# Altium PCB drac_v2.PcbDoc (part 1 of 5) (continued)
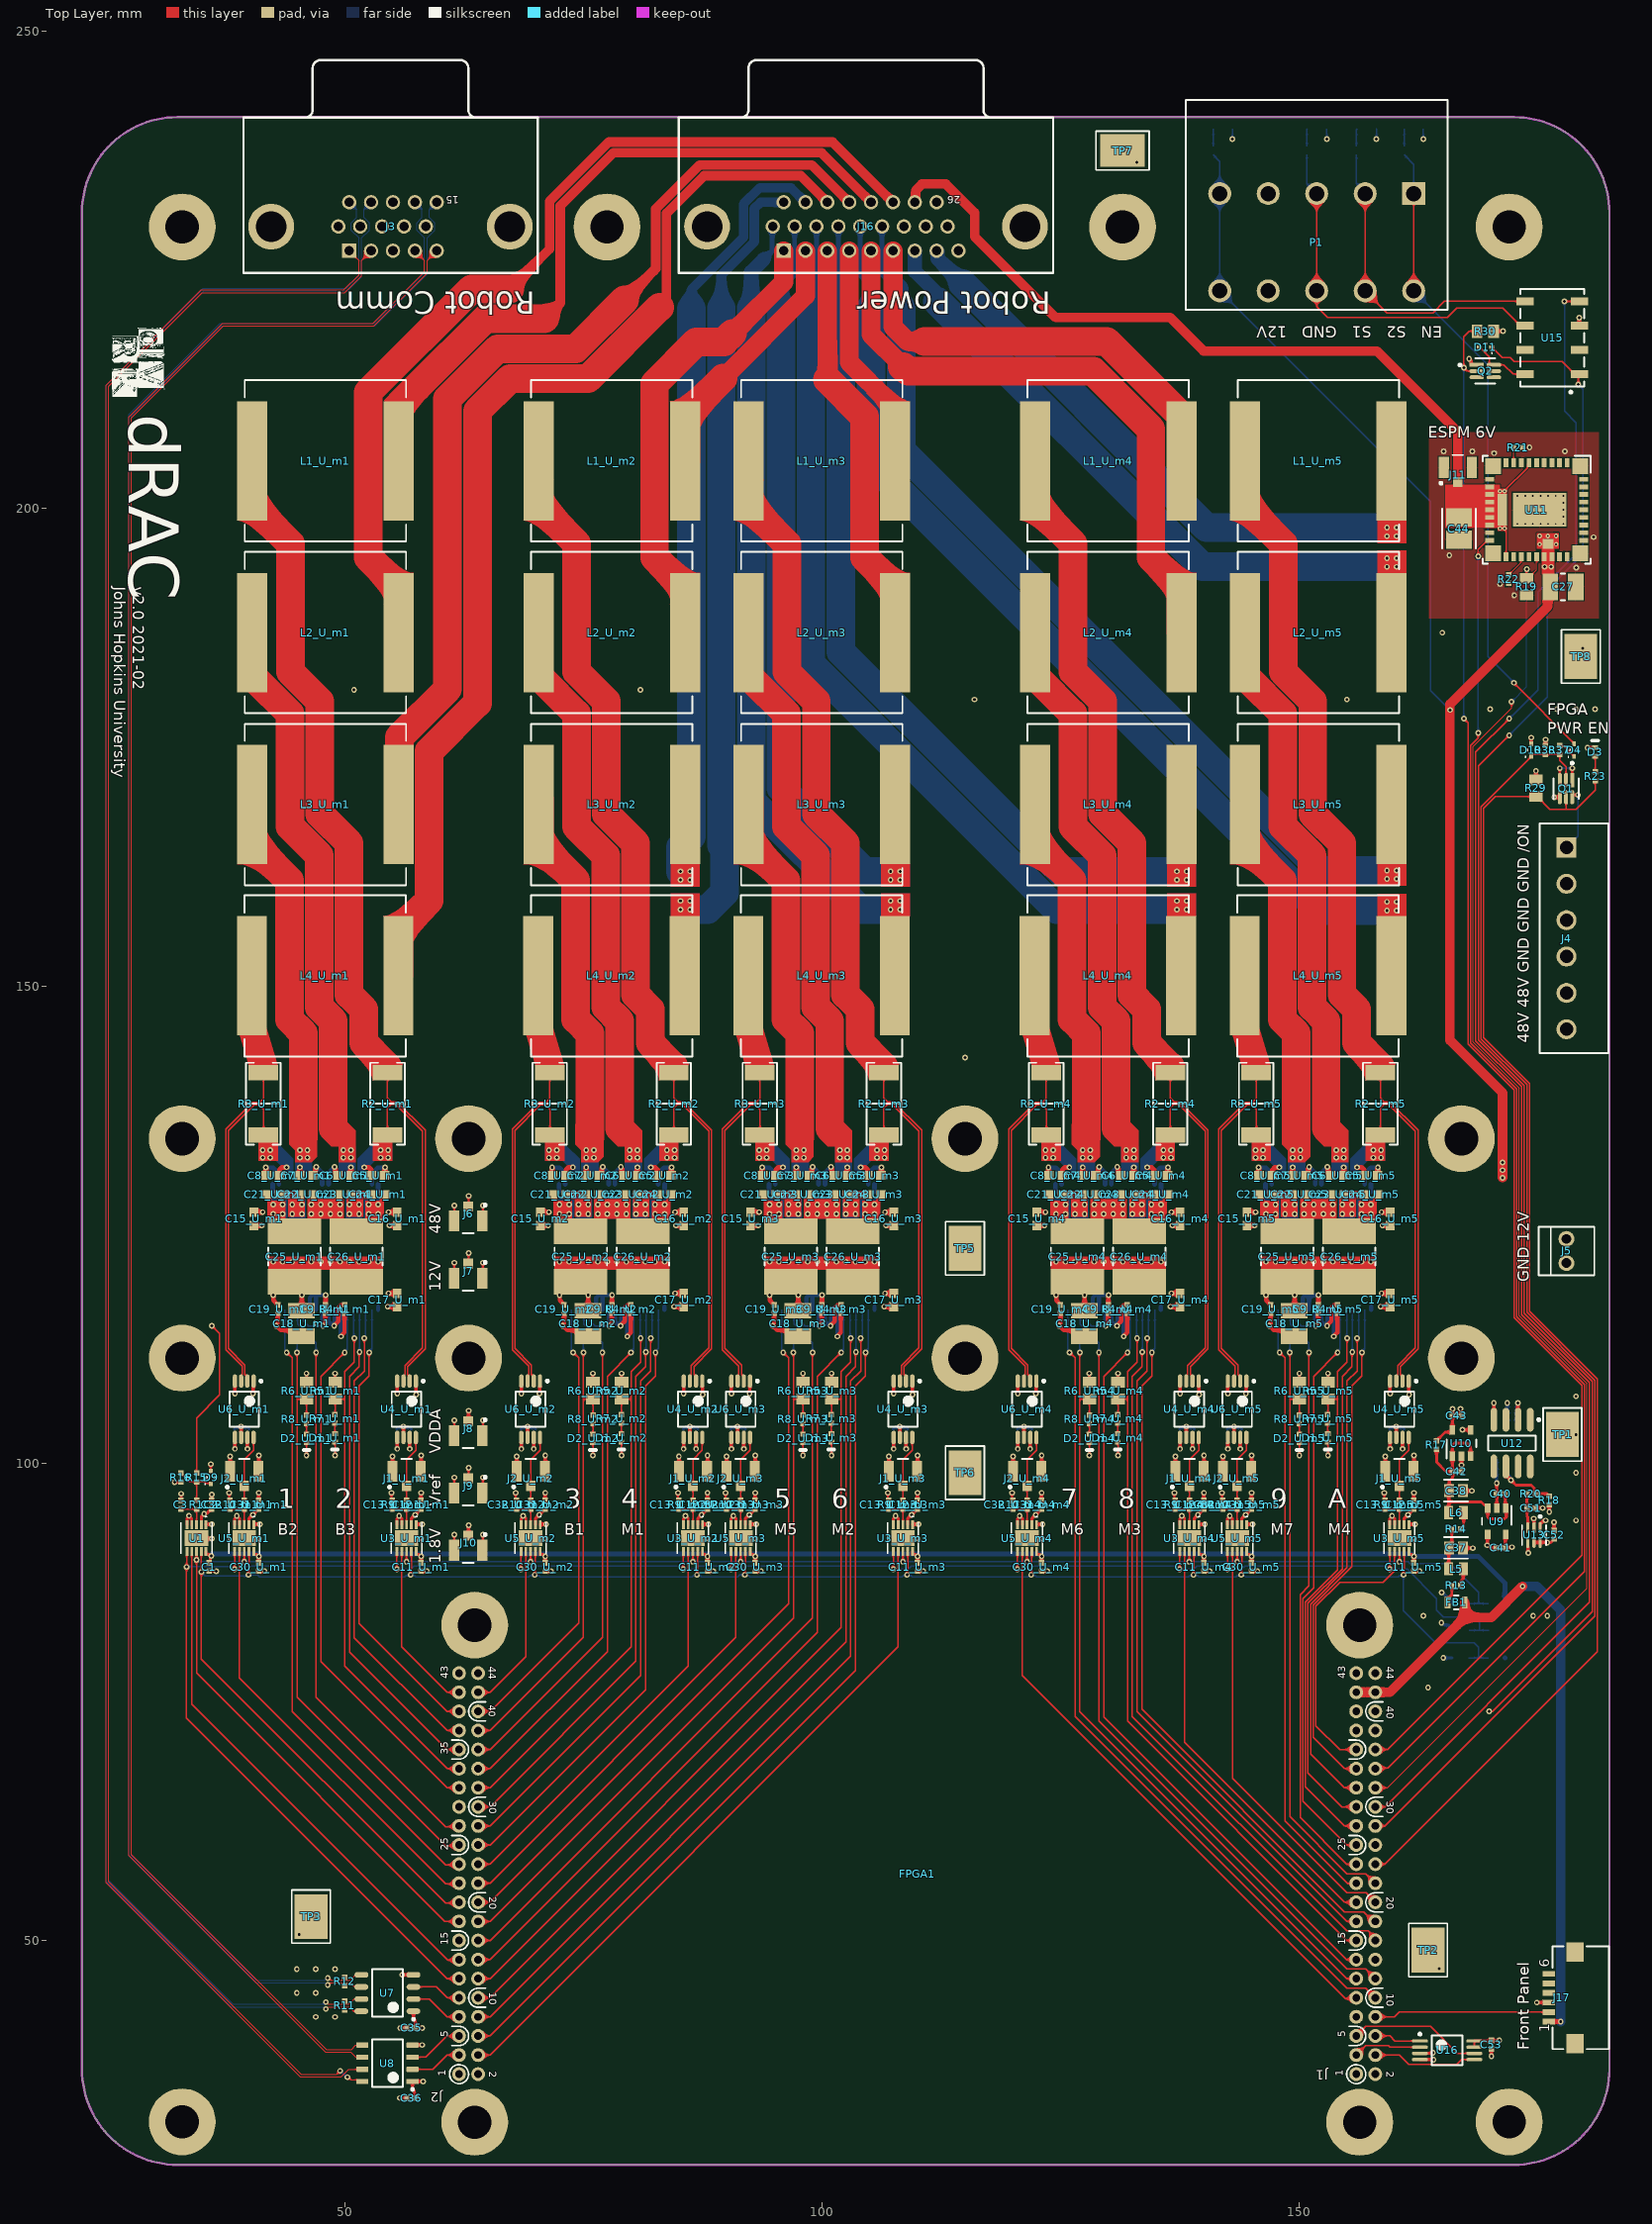
[diagram p0: Top Layer view]
## Components (designator, comment, footprint, x,y, rotation, side; value= is the part's Value field where it differs from the comment) (continued)
C34_U_m1 "0.1µF" FP-GRM155-0_05-IPC_B 40,103.148 r90 bottom (schematic designator C34)
C34_U_m2 "0.1µF" FP-GRM155-0_05-IPC_B 70,103.148 r90 bottom (schematic designator C34)
C34_U_m3 "0.1µF" FP-GRM155-0_05-IPC_B 92,103.148 r90 bottom (schematic designator C34)
C34_U_m4 "0.1µF" FP-GRM155-0_05-IPC_B 122,103.148 r90 bottom (schematic designator C34)
C34_U_m5 "0.1µF" FP-GRM155-0_05-IPC_B 144,103.148 r90 bottom (schematic designator C34)
C35 "0.1µF" FP-GRM155-0_05-IPC_B 57,40.843 r0 top
C36 "0.1µF" FP-GRM155-0_05-IPC_B 57,33.5 r0 top
C37 "CL21B106KQQNNNG" FP-CL21-IPC_C 166.447,91.125 r0 top
C38 "CL21B106KQQNNNG" FP-CL21-IPC_C 166.447,97.124 r0 top
C40 "1µF" FP-GRM155-0_05-IPC_B 171.1,96.8 r0 top
C41 "1µF" FP-GRM155-0_05-IPC_B 171.1,91.123 r0 top
C42 "1µF" FP-GRM155-0_05-IPC_B 166.5,99.1 r180 top
C43 "1µF" FP-GRM155-0_05-IPC_B 166.5,105 r180 top
C44 "GRM32ER61A107ME20K" FP-GRM32E-0_3-0_2-IPC_B 166.731,197.907 r270 top
C47 "1µF" FP-GRM155-0_05-IPC_B 172.3,104.2 r0 bottom
C48 "0.1µF" FP-GRM155-0_05-IPC_B 172.3,105.6 r0 bottom
C49 "1µF" FP-GRM155-0_05-IPC_B 171.1,99.098 r0 bottom
C50 "0.1µF" FP-GRM155-0_05-IPC_B 171.1,100.4 r0 bottom
C51 "DNP" FP-GRM155-0_05-IPC_B 174.3,95.3 r180 top
C52 "1µF" FP-GRM155-0_05-IPC_B 176.7,92.5 r90 top
C53 "0.1µF" FP-GRM155-0_05-IPC_B 170.133,39.093 r270 top
D1_U_m1 "LED_0402" ROHM-SML-P11MT_V 49,102.648 r270 top (schematic designator D1)
D1_U_m2 "LED_0402" ROHM-SML-P11MT_V 79,102.648 r270 top (schematic designator D1)
D1_U_m3 "LED_0402" ROHM-SML-P11MT_V 101,102.648 r270 top (schematic designator D1)
D1_U_m4 "LED_0402" ROHM-SML-P11MT_V 131,102.648 r270 top (schematic designator D1)
D1_U_m5 "LED_0402" ROHM-SML-P11MT_V 153,102.648 r270 top (schematic designator D1)
D2_U_m1 "LED_0402" ROHM-SML-P11MT_V 46.025,102.598 r270 top (schematic designator D2)
D2_U_m2 "LED_0402" ROHM-SML-P11MT_V 76.025,102.598 r270 top (schematic designator D2)
D2_U_m3 "LED_0402" ROHM-SML-P11MT_V 98.025,102.598 r270 top (schematic designator D2)
D2_U_m4 "LED_0402" ROHM-SML-P11MT_V 128.025,102.598 r270 top (schematic designator D2)
D2_U_m5 "LED_0402" ROHM-SML-P11MT_V 150.025,102.598 r270 top (schematic designator D2)
D3 "LED_0402" ROHM-SML-P11MT_V 181,174.5 r90 top
D4 "ESD5Z3.3T1G" ONSC-SOD-523-2-502-01_V 178.8,174.7 r90 top
D9 "ESD5Z3.3T1G" ONSC-SOD-523-2-502-01_V 36,98.5 r90 top
D10 "ESD5Z3.3T1G" ONSC-SOD-523-2-502-01_V 174.3,174.7 r90 top
D11 "ESD5Z3.3T1G" ONSC-SOD-523-2-502-01_V 169.5,216.9 r180 top
D12 "LTST-S270KGKT" FP-LTST-S270KGKT-MFG 142,240 r180 bottom
D13 "LTST-S270KGKT" FP-LTST-S270KGKT-MFG 151.858,240 r180 bottom
D14 "LTST-S270KGKT" FP-LTST-S270KGKT-MFG 157.085,240 r180 bottom
D15 "LTST-S270KGKT" FP-LTST-S270KGKT-MFG 162,240 r180 bottom
FB1 "BLM21AG102SN1D" FP-BLM21-0_2-t0_85-e0_5-MFG 166.447,85.424 r180 top
FPGA1 "Connect to FireWire FPGA" FPGA-dummy 156.345,83.035 r180 top
J1_U_m1 "1909763-1" TECO-1909763-1_V 56.5,99.148 r0 top (schematic designator J1)
J1_U_m2 "1909763-1" TECO-1909763-1_V 86.5,99.148 r0 top (schematic designator J1)
J1_U_m3 "1909763-1" TECO-1909763-1_V 108.5,99.148 r0 top (schematic designator J1)
J1_U_m4 "1909763-1" TECO-1909763-1_V 138.5,99.148 r0 top (schematic designator J1)
J1_U_m5 "1909763-1" TECO-1909763-1_V 160.5,99.148 r0 top (schematic designator J1)
J2_U_m1 "1909763-1" TECO-1909763-1_V 39.5,99.148 r0 top (schematic designator J2)
J2_U_m2 "1909763-1" TECO-1909763-1_V 69.5,99.148 r0 top (schematic designator J2)
J2_U_m3 "1909763-1" TECO-1909763-1_V 91.5,99.148 r0 top (schematic designator J2)
J2_U_m4 "1909763-1" TECO-1909763-1_V 121.5,99.148 r0 top (schematic designator J2)
J2_U_m5 "1909763-1" TECO-1909763-1_V 143.5,99.148 r0 top (schematic designator J2)
J3 "15p, Female" 618015325223 54.82,229.54 r180 top
J4 "691321300006" 691321300006 178.8,154.975 r270 top
J5 "Substitute with tyco 640457-2" HDR-2x1-100 178,122.23 r270 top
J6 "1909763-1" TECO-1909763-1_V 62.958,125.377 r180 top
J7 "1909763-1" TECO-1909763-1_V 62.958,119.377 r180 top
J8 "1909763-1" TECO-1909763-1_V 62.958,102.877 r180 top
J9 "1909763-1" TECO-1909763-1_V 62.958,96.877 r180 top
J10 "1909763-1" TECO-1909763-1_V 62.958,90.877 r180 top
J11 "1909763-1" TECO-1909763-1_V 166.631,204.307 r0 top
J16 "26p, Female" 618026325223 104.63,229.54 r180 top
J17 "686106148922" 686106148922 179.5,44 r90 top
L1_U_m1 "" SRP1770TA 48,205 r0 top value=100nH (schematic designator L1)
L1_U_m2 "" SRP1770TA 78,205 r0 top value=100nH (schematic designator L1)
L1_U_m3 "" SRP1770TA 100,205 r0 top value=100nH (schematic designator L1)
L1_U_m4 "" SRP1770TA 130,205 r0 top value=100nH (schematic designator L1)
L1_U_m5 "" SRP1770TA 152,205 r0 top value=100nH (schematic designator L1)
L2_U_m1 "" SRP1770TA 48,187 r0 top value=100nH (schematic designator L2)
L2_U_m2 "" SRP1770TA 78,187 r0 top value=100nH (schematic designator L2)
L2_U_m3 "" SRP1770TA 100,187 r0 top value=100nH (schematic designator L2)
L2_U_m4 "" SRP1770TA 130,187 r0 top value=100nH (schematic designator L2)
L2_U_m5 "" SRP1770TA 152,187 r0 top value=100nH (schematic designator L2)
L3_U_m1 "" SRP1770TA 48,169 r0 top value=100nH (schematic designator L3)
L3_U_m2 "" SRP1770TA 78,169 r0 top value=100nH (schematic designator L3)
L3_U_m3 "" SRP1770TA 100,169 r0 top value=100nH (schematic designator L3)
L3_U_m4 "" SRP1770TA 130,169 r0 top value=100nH (schematic designator L3)
L3_U_m5 "" SRP1770TA 152,169 r0 top value=100nH (schematic designator L3)
L4_U_m1 "" SRP1770TA 47.975,151.05 r0 top value=100nH (schematic designator L4)
L4_U_m2 "" SRP1770TA 77.975,151.05 r0 top value=100nH (schematic designator L4)
L4_U_m3 "" SRP1770TA 99.975,151.05 r0 top value=100nH (schematic designator L4)
L4_U_m4 "" SRP1770TA 129.975,151.05 r0 top value=100nH (schematic designator L4)
L4_U_m5 "" SRP1770TA 151.975,151.05 r0 top value=100nH (schematic designator L4)
L5 "LQM21PN1R0MC0D" MURA-IND0805_H_0.55_L 166.447,88.924 r180 top
L6 "LQM21PN1R0MC0D" MURA-IND0805_H_0.55_L 166.447,94.824 r180 top
P1 "691331510010" 691331510010 151.84,231.8 r180 top
Q1 "DMN3190LDW-7" FP-SOT363-IPC_A 177.95,170.667 r270 top
Q2 "DMN3190LDW-7" FP-SOT363-IPC_A 169.5,214.4 r0 top
R1 "CRCW04020000Z0ED" FP-CRCW0402-e3-IPC_B 34.5,95.648 r90 top value=0
R2_U_m1 "10 mOhms" "STACKPOLE CSR2512" 54.5,137.648 r90 top (schematic designator R2)
R2_U_m2 "10 mOhms" "STACKPOLE CSR2512" 84.5,137.648 r90 top (schematic designator R2)
R2_U_m3 "10 mOhms" "STACKPOLE CSR2512" 106.5,137.648 r90 top (schematic designator R2)
R2_U_m4 "10 mOhms" "STACKPOLE CSR2512" 136.5,137.648 r90 top (schematic designator R2)
R2_U_m5 "10 mOhms" "STACKPOLE CSR2512" 158.5,137.648 r90 top (schematic designator R2)
R3_U_m1 "10 mOhms" "STACKPOLE CSR2512" 41.5,137.648 r90 top (schematic designator R3)
R3_U_m2 "10 mOhms" "STACKPOLE CSR2512" 71.5,137.648 r90 top (schematic designator R3)
R3_U_m3 "10 mOhms" "STACKPOLE CSR2512" 93.5,137.648 r90 top (schematic designator R3)
R3_U_m4 "10 mOhms" "STACKPOLE CSR2512" 123.5,137.648 r90 top (schematic designator R3)
R3_U_m5 "10 mOhms" "STACKPOLE CSR2512" 145.5,137.648 r90 top (schematic designator R3)
R4_U_m1 "Res_0402" FP-CRCW0402-e3-IPC_B 50,116.148 r90 top value=27k (schematic designator R4)
R4_U_m2 "Res_0402" FP-CRCW0402-e3-IPC_B 80,116.148 r90 top value=27k (schematic designator R4)
R4_U_m3 "Res_0402" FP-CRCW0402-e3-IPC_B 102,116.148 r90 top value=27k (schematic designator R4)
R4_U_m4 "Res_0402" FP-CRCW0402-e3-IPC_B 132,116.148 r90 top value=27k (schematic designator R4)
R4_U_m5 "Res_0402" FP-CRCW0402-e3-IPC_B 154,116.148 r90 top value=27k (schematic designator R4)
R5_U_m1 "Res_0805" FP-CRCW0805-HPe3-IPC_B 49.025,107.598 r270 top value=1k (schematic designator R5)
R5_U_m2 "Res_0805" FP-CRCW0805-HPe3-IPC_B 79.025,107.598 r270 top value=1k (schematic designator R5)
R5_U_m3 "Res_0805" FP-CRCW0805-HPe3-IPC_B 101.025,107.598 r270 top value=1k (schematic designator R5)
R5_U_m4 "Res_0805" FP-CRCW0805-HPe3-IPC_B 131.025,107.598 r270 top value=1k (schematic designator R5)
R5_U_m5 "Res_0805" FP-CRCW0805-HPe3-IPC_B 153.025,107.598 r270 top value=1k (schematic designator R5)
R6_U_m1 "Res_0805" FP-CRCW0805-HPe3-IPC_B 46.025,107.598 r270 top value=1k (schematic designator R6)
R6_U_m2 "Res_0805" FP-CRCW0805-HPe3-IPC_B 76.025,107.598 r270 top value=1k (schematic designator R6)
R6_U_m3 "Res_0805" FP-CRCW0805-HPe3-IPC_B 98.025,107.598 r270 top value=1k (schematic designator R6)
R6_U_m4 "Res_0805" FP-CRCW0805-HPe3-IPC_B 128.025,107.598 r270 top value=1k (schematic designator R6)
R6_U_m5 "Res_0805" FP-CRCW0805-HPe3-IPC_B 150.025,107.598 r270 top value=1k (schematic designator R6)
R7_U_m1 "Res_0402" FP-CRCW0402-e3-IPC_B 49,104.648 r90 top value=680 (schematic designator R7)
R7_U_m2 "Res_0402" FP-CRCW0402-e3-IPC_B 79,104.648 r90 top value=680 (schematic designator R7)
R7_U_m3 "Res_0402" FP-CRCW0402-e3-IPC_B 101,104.648 r90 top value=680 (schematic designator R7)
R7_U_m4 "Res_0402" FP-CRCW0402-e3-IPC_B 131,104.648 r90 top value=680 (schematic designator R7)
R7_U_m5 "Res_0402" FP-CRCW0402-e3-IPC_B 153,104.648 r90 top value=680 (schematic designator R7)
R8_U_m1 "Res_0402" FP-CRCW0402-e3-IPC_B 46.025,104.598 r90 top value=680 (schematic designator R8)
R8_U_m2 "Res_0402" FP-CRCW0402-e3-IPC_B 76.025,104.598 r90 top value=680 (schematic designator R8)
R8_U_m3 "Res_0402" FP-CRCW0402-e3-IPC_B 98.025,104.598 r90 top value=680 (schematic designator R8)
R8_U_m4 "Res_0402" FP-CRCW0402-e3-IPC_B 128.025,104.598 r90 top value=680 (schematic designator R8)
R8_U_m5 "Res_0402" FP-CRCW0402-e3-IPC_B 150.025,104.598 r90 top value=680 (schematic designator R8)
R9_U_m1 "CRCW04020000Z0ED" FP-CRCW0402-e3-IPC_B 56.5,95.648 r90 top value=0 (schematic designator R9)
R9_U_m2 "CRCW04020000Z0ED" FP-CRCW0402-e3-IPC_B 86.5,95.648 r90 top value=0 (schematic designator R9)
R9_U_m3 "CRCW04020000Z0ED" FP-CRCW0402-e3-IPC_B 108.5,95.648 r90 top value=0 (schematic designator R9)
R9_U_m4 "CRCW04020000Z0ED" FP-CRCW0402-e3-IPC_B 138.5,95.648 r90 top value=0 (schematic designator R9)
R9_U_m5 "CRCW04020000Z0ED" FP-CRCW0402-e3-IPC_B 160.5,95.648 r90 top value=0 (schematic designator R9)
R10_U_m1 "CRCW04020000Z0ED" FP-CRCW0402-e3-IPC_B 39.5,95.648 r90 top value=0 (schematic designator R10)
R10_U_m2 "CRCW04020000Z0ED" FP-CRCW0402-e3-IPC_B 69.5,95.648 r90 top value=0 (schematic designator R10)
R10_U_m3 "CRCW04020000Z0ED" FP-CRCW0402-e3-IPC_B 91.5,95.648 r90 top value=0 (schematic designator R10)
R10_U_m4 "CRCW04020000Z0ED" FP-CRCW0402-e3-IPC_B 121.5,95.648 r90 top value=0 (schematic designator R10)
R10_U_m5 "CRCW04020000Z0ED" FP-CRCW0402-e3-IPC_B 143.5,95.648 r90 top value=0 (schematic designator R10)
R11 "Res_0402" FP-CRCW0402-e3-IPC_B 50,43.181 r270 top value=DNP
R12 "Res_0402" FP-CRCW0402-e3-IPC_B 50,45.713 r270 top value=DNP
R13 "Res_0402" FP-CRCW0402-e3-IPC_B 166.447,87.224 r0 top value=1
R14 "Res_0402" FP-CRCW0402-e3-IPC_B 166.447,93.124 r0 top value=1
R15 "Res_0402" FP-CRCW0402-e3-IPC_B 34.5,98.5 r90 top value=200k
R16 "Res_0402" FP-CRCW0402-e3-IPC_B 32.866,98.5 r90 top value=10k
R17 "Res_0402" FP-CRCW0402-e3-IPC_B 164.4,101.9 r90 top value=DNP
R18 "Res_0402" FP-CRCW0402-e3-IPC_B 176.2,96.1 r270 top value=DNP
R19 "Res_0805" FP-CRCW0805-HPe3-IPC_B 173.831,191.807 r90 top value=1k
R20 "Res_0402" FP-CRCW0402-e3-IPC_B 174.3,96.8 r180 top value=0
R21 "Res_0402" FP-CRCW0402-e3-IPC_B 172.931,206.407 r0 top value=115k
R22 "Res_0402" FP-CRCW0402-e3-IPC_B 171.931,192.607 r270 top value=3.6k
R23 "Res_0402" FP-CRCW0402-e3-IPC_B 181,171.952 r270 top value=6.7k
R29 "Res_0805" FP-CRCW0805-HPe3-IPC_B 174.8,170.7 r270 top value=1K
R30 "Res_0805" FP-CRCW0805-HPe3-IPC_B 169.5,218.581 r180 top value=1K
R31 "Res_0805" FP-CRCW0805-HPe3-IPC_B 170.731,82.5 r0 bottom value=100
R32 "Res_0805" FP-CRCW0805-HPe3-IPC_B 170.709,85.29 r0 bottom value=100
R33 "Res_0805" FP-CRCW0805-HPe3-IPC_B 170.7,79.6 r0 bottom value=100
R34 "Res_0805" FP-CRCW0805-HPe3-IPC_B 166.931,82.5 r0 bottom value=100
R35 "Res_0805" FP-CRCW0805-HPe3-IPC_B 166.909,85.29 r0 bottom value=100
R36 "Res_0805" FP-CRCW0805-HPe3-IPC_B 166.9,79.6 r0 bottom value=100
R37 "Res_0402" FP-CRCW0402-e3-IPC_B 177.3,174.7 r90 top value=270k
R38 "Res_0402" FP-CRCW0402-e3-IPC_B 175.8,174.7 r270 top value=100k
R39 "Res_0402" FP-CRCW0402-e3-IPC_B 141,237.5 r270 bottom value=6.7k
R40 "Res_0402" FP-CRCW0402-e3-IPC_B 150.8,237.5 r270 bottom value=6.7k
R41 "Res_0402" FP-CRCW0402-e3-IPC_B 156,237.5 r270 bottom value=6.7k
R42 "Res_0402" FP-CRCW0402-e3-IPC_B 161,237.5 r270 bottom value=6.7k
TP1 "5016" Testpoint_Keystone_Compact 177.578,103 r90 top
TP2 "5016" Testpoint_Keystone_Compact 163.5,49 r90 top
TP3 "5016" Testpoint_Keystone_Compact 46.5,52.5 r90 top
TP4 "5016" Testpoint_Keystone_Compact 115,142.5 r90 bottom
TP5 "5016" Testpoint_Keystone_Compact 115,122.5 r90 top
TP6 "5016" Testpoint_Keystone_Compact 115,99 r90 top
TP7 "5016" Testpoint_Keystone_Compact 131.5,237.5 r180 top
TP8 "5016" Testpoint_Keystone_Compact 179.5,184.5 r90 top
TP9 "5016" Testpoint_Keystone_Compact 164,76.323 r180 bottom
U1 "AD4008BCPZ-RL7" CP_10_9 34.5,92.148 r270 top value=Value
U2_U_m1 "DRV8432DKDR" DKD0036A_N 48,122.648 r90 bottom (schematic designator U2)
U2_U_m2 "DRV8432DKDR" DKD0036A_N 78,122.648 r90 bottom (schematic designator U2)
U2_U_m3 "DRV8432DKDR" DKD0036A_N 100,122.648 r90 bottom (schematic designator U2)
U2_U_m4 "DRV8432DKDR" DKD0036A_N 130,122.648 r90 bottom (schematic designator U2)
U2_U_m5 "DRV8432DKDR" DKD0036A_N 152,122.648 r90 bottom locked (schematic designator U2)
U3_U_m1 "AD4008BCPZ-RL7" CP_10_9 56.5,92.148 r270 top value=Value (schematic designator U3)
U3_U_m2 "AD4008BCPZ-RL7" CP_10_9 86.5,92.148 r270 top value=Value (schematic designator U3)
U3_U_m3 "AD4008BCPZ-RL7" CP_10_9 108.5,92.148 r270 top value=Value (schematic designator U3)
U3_U_m4 "AD4008BCPZ-RL7" CP_10_9 138.5,92.148 r270 top value=Value (schematic designator U3)
U3_U_m5 "AD4008BCPZ-RL7" CP_10_9 160.5,92.148 r270 top value=Value (schematic designator U3)
U4_U_m1 "INA240A1PW" PW0008A_N 56.5,105.648 r270 top (schematic designator U4)
U4_U_m2 "INA240A1PW" PW0008A_N 86.5,105.648 r270 top (schematic designator U4)
U4_U_m3 "INA240A1PW" PW0008A_N 108.5,105.648 r270 top (schematic designator U4)
U4_U_m4 "INA240A1PW" PW0008A_N 138.5,105.648 r270 top (schematic designator U4)
U4_U_m5 "INA240A1PW" PW0008A_N 160.5,105.648 r270 top (schematic designator U4)
U5_U_m1 "AD4008BCPZ-RL7" CP_10_9 39.5,92.148 r270 top value=Value (schematic designator U5)
U5_U_m2 "AD4008BCPZ-RL7" CP_10_9 69.5,92.148 r270 top value=Value (schematic designator U5)
U5_U_m3 "AD4008BCPZ-RL7" CP_10_9 91.5,92.148 r270 top value=Value (schematic designator U5)
U5_U_m4 "AD4008BCPZ-RL7" CP_10_9 121.5,92.148 r270 top value=Value (schematic designator U5)
U5_U_m5 "AD4008BCPZ-RL7" CP_10_9 143.5,92.148 r270 top value=Value (schematic designator U5)
U6_U_m1 "INA240A1PW" PW0008A_N 39.5,105.648 r270 top (schematic designator U6)
U6_U_m2 "INA240A1PW" PW0008A_N 69.5,105.648 r270 top (schematic designator U6)
U6_U_m3 "INA240A1PW" PW0008A_N 91.5,105.648 r270 top (schematic designator U6)
U6_U_m4 "INA240A1PW" PW0008A_N 121.5,105.648 r270 top (schematic designator U6)
U6_U_m5 "INA240A1PW" PW0008A_N 143.5,105.648 r270 top (schematic designator U6)
U7 "SN65LVDS34D" SOIC127P600X175-8N 54.5,44.5 r180 top
U8 "DS90LV027ATM/NOPB" D0008A_L 54.5,37.143 r180 top
U9 "LP5907MFX-1.8/NOPB" DBV0005A_N 170.7,93.9 r270 top
U10 "LP5907MFX-4.5/NOPB" DBV0005A_N 167,102.1 r90 top
U11 "" RVQ0043A 174.874,199.874 r270 top
U12 "ADR4540BRZ" ADI-R-8_M 172.3,102.1 r270 top
U13 "ADA4807-1AKSZ-R2" FP-KS-6-IPC_C 174.6,92.471 r270 top
U15 "RELAY DPDT" FP-G6K-2G_DC5-MFG 176.5,217.9 r90 top
U16 "25AA128T-I/ST" TSSOP-ST8_N 165.5,38.5 r0 top

## Footprints (in the part's own frame and the unit in brackets; to place one, negate y for a bottom-side part, rotate by r counter-clockwise, add the part's x,y. Pads: shape width x height; smd on the part's side, far side on the other; paste and mask are expansions set on the pad)
618015325223 [mm]
  rect 1.5x1.5 hole 1: 1(4.32,2.54)
  round 1.5 hole 1: 2(2.03,2.54) 3(-0.26,2.54) 4(-2.55,2.54) 5(-4.84,2.54) 6(5.46,0) 7(3.17,0) 8(0.88,0) 9(-1.41,0) 10(-3.7,0) 11(4.32,-2.54) 12(2.03,-2.54) 13(-0.26,-2.54) 14(-2.55,-2.54) 15(-4.84,-2.54)
  round 4.8 hole 3.2: M1(-12.5,0) M2(12.5,0)
  silkscreen extent -15.4,-17.43 15.4,4.87, body extent -15.4,-17.43 15.4,4.87, height 12.75
618026325223 [mm]
  rect 1.5x1.5 hole 1: 1(8.63,2.54)
  round 1.5 hole 1: 2(6.34,2.54) 3(4.05,2.54) 4(1.76,2.54) 5(-0.53,2.54) 6(-2.82,2.54) 7(-5.11,2.54) 8(-7.4,2.54) 9(-9.69,2.54) 10(9.77,0) 11(7.48,0) 12(5.19,0) 13(2.9,0) 14(0.61,0) 15(-1.68,0) 16(-3.97,0) 17(-6.26,0) 18(-8.55,0) 19(8.63,-2.54) 20(6.34,-2.54) 21(4.05,-2.54) 22(1.76,-2.54) 23(-0.53,-2.54) 24(-2.82,-2.54) 25(-5.11,-2.54) 26(-7.4,-2.54)
  round 4.8 hole 3.2: M1(-16.65,0) M2(16.65,0)
  silkscreen extent -19.6,-17.43 19.6,4.87, body extent -19.6,-17.43 19.6,4.87, height 12.75
686106148922 [mm] "ZIF Connectors, Horizontal, Bottom Contact Hinge Type, pitch 1mm, 6p"
  rect 0.6x1.3 smd: 1(-2.5,3.35) 2(-1.5,3.35) 3(-0.5,3.35) 4(0.5,3.35) 5(1.5,3.35) 6(2.5,3.35)
  rect 2x1.8 smd: MP1(-4.8,0.6) MP2(4.8,0.6)
  silkscreen extent -5.38,-2.95 5.38,2.95, body extent -5.3,-2.9 5.3,3.6, height 2.27
691321300006 [mm] "Vertical PCB Header, pitch 3.81mm, 06p"
  rect 2.1x2.1 hole 1.4: 1(-9.525,-0.8)
  round 2.1 hole 1.4: 2(-5.715,-0.8) 3(-1.905,-0.8) 4(1.905,-0.8) 5(5.715,-0.8) 6(9.525,-0.8)
  silkscreen extent -12.02,-3.6 12.03,3.6, body extent -12.02,-3.6 12.02,3.6, height 9.25
691331510010 [mm] "5,08mm - PCB - Dual row - Horizontal - 10p"
  rect 2.4x2.4 hole 1.6: 1(-10.16,-1.2)
  round 2.4 hole 1.6: 2(-5.08,-1.2) 3(0,-1.2) 4(5.08,-1.2) 5(10.16,-1.2) 6(-10.16,9) 7(-5.08,9) 8(0,9) 9(5.08,9) 10(10.16,9)
  silkscreen extent -13.7,-11 13.7,11, body extent -13.7,-11 13.7,11, height 28.85
ADI-R-8_M [mm] "SOIC, 8-Leads, Body 4.9x3.9mm, Pitch 1.27mm, IPC Low Density"
  oval 2.5x0.7 smd: 1(-2.45,1.905) 2(-2.45,0.635) 3(-2.45,-0.635) 4(-2.45,-1.905) 5(2.45,-1.905) 6(2.45,-0.635) 7(2.45,0.635) 8(2.45,1.905)
  silkscreen extent -2.57,-2.5 0.8,2.93, body extent -2,-2.5 2,2.5, height 1.75
CP_10_9 [mm]
  rect 0.905x0.3 smd: 1(-1.402,1) 2(-1.402,0.5) 3(-1.402,0) 4(-1.402,-0.5) 5(-1.402,-1) 6(1.402,-1) 7(1.402,-0.5) 8(1.402,0) 9(1.402,0.5) 10(1.402,1)
  rect 1.64x2.48 smd paste-1.227: 11(0,0)
  silkscreen extent -2.28,-1.63 1.63,1.63, body extent -1.55,-1.5 1.55,1.5, height 0.75
D0008A_L [mm] "SOIC, 8-Leads, Body 5x4mm, Pitch 1.27mm, IPC High Density"
  rrect18% 1.25x0.55 smd: 1(-2.625,1.905) 2(-2.625,0.635) 3(-2.625,-0.635) 4(-2.625,-1.905) 5(2.625,-1.905) 6(2.625,-0.635) 7(2.625,0.635) 8(2.625,1.905)
  silkscreen extent -2.75,-2.5 1.6,2.85, body extent -3,-2.45 3,2.45, height 1.63
DBV0005A_N [mm]
  rrect17% 1x0.6 smd: 1(-1.375,0.95) 2(-1.375,0) 3(-1.375,-0.95) 4(1.375,-0.95) 5(1.375,0.95)
  silkscreen extent -1.63,-1.55 0.38,1.55, body extent -1.42,-1.46 1.42,1.46, height 1.09
DKD0036A_N [mm] "SOP, 36-Leads, Body 16x11.1mm, Pitch 0.65mm, IPC Medium Density"
  rrect22% 2.05x0.45 smd: 1(-6.575,5.525) 2(-6.575,4.875) 3(-6.575,4.225) 4(-6.575,3.575) 5(-6.575,2.925) 6(-6.575,2.275) 7(-6.575,1.625) 8(-6.575,0.975) 9(-6.575,0.325) 10(-6.575,-0.325) 11(-6.575,-0.975) 12(-6.575,-1.625) 13(-6.575,-2.275) 14(-6.575,-2.925) 15(-6.575,-3.575) 16(-6.575,-4.225) 17(-6.575,-4.875) 18(-6.575,-5.525)
  rrect20% 2.05x0.5 smd: 19(6.575,-5.525) 20(6.575,-4.875) 21(6.575,-4.225) 22(6.575,-3.575) 23(6.575,-2.925) 24(6.575,-2.275) 25(6.575,-1.625) 26(6.575,-0.975) 27(6.575,-0.325) 28(6.575,0.325) 29(6.575,0.975) 30(6.575,1.625) 31(6.575,2.275) 32(6.575,2.925) 33(6.575,3.575) 34(6.575,4.225) 35(6.575,4.875) 36(6.575,5.525)
  silkscreen extent -6.7,-8 5.15,8, body extent -5.55,-8 5.55,8, height 3.6
FP-BLM21-0_2-t0_85-e0_5-MFG [mm]
  rect 0.6x1.25 smd paste+0 mask+0: 1(-0.9,0) 2(0.9,0)
  silkscreen extent -0.23,-0.72 0.23,0.72, body extent -1.3,-0.82 1.3,0.82, height 0.25
FP-CL21-IPC_C [mm]
  rect 1.055x1.356 smd paste+0 mask+0: 1(-0.726,0) 2(0.726,0)
  silkscreen extent -1.25,-1.12 1.25,1.12, body extent -1,-0.62 1,0.63, height 1.45
FP-CL32-IPC_B [mm]
  rect 1.653x2.804 smd paste+0 mask+0: 1(-1.325,0) 2(1.325,0)
  silkscreen extent -0.2,-1.4 0.2,1.4, body extent -2.4,-1.65 2.4,1.65, height 0.25
FP-CRCW0402-e3-IPC_B [mm]
  rect 0.568x0.572 smd paste+0 mask+0: 1(-0.452,0) 2(0.452,0)
  body extent -0.89,-0.44 0.89,0.44, height 0.25
FP-CRCW0805-HPe3-IPC_B [mm]
  rect 1.106x1.408 smd paste+0 mask+0: 1(-0.876,0) 2(0.876,0)
  body extent -1.68,-0.95 1.68,0.95, height 0.25
FP-G6K-2G_DC5-MFG [mm]
  rect 0.8x1.8 smd paste+0 mask+0: 1(-3.81,-2.85) 2(-1.27,-2.85) 3(1.27,-2.85) 4(3.81,-2.85) 5(3.81,2.85) 6(1.27,2.85) 7(-1.27,2.85) 8(-3.81,2.85)
  silkscreen extent -5.82,-3.35 5.1,3.35, body extent -5.2,-3.85 5.2,3.85, height 0.25
FP-GRM32E-0_3-0_2-IPC_B [mm]
  rect 1.903x2.706 smd paste+0 mask+0: 1(-1.151,0) 2(1.151,0)
  silkscreen extent -2.1,-1.75 2.1,1.75, body extent -2.35,-1.6 2.35,1.6, height 0.25
FP-GRM155-0_05-IPC_B [mm]
  rect 0.615x0.572 smd paste+0 mask+0: 1(-0.429,0) 2(0.429,0)
  body extent -0.89,-0.44 0.89,0.44, height 0.25
FP-GRM188-0_1-e0_2_0_55-IPC_B [mm]
  rect 1.008x0.912 smd paste+0 mask+0: 1(-0.702,0) 2(0.702,0)
  body extent -1.46,-0.71 1.46,0.71, height 0.25
FP-KRM55W-6_1_5_3_6_7_1_2-MFG [mm]
  rect 2.7x5.6 smd paste+0 mask+0: 1(-2.65,0) 2(2.65,0)
  silkscreen extent -0.92,-2.75 0.92,2.75, body extent -4.1,-2.9 4.1,2.9, height 0.25
FP-KS-6-IPC_C [mm]
  rect 1.164x0.336 smd paste+0 mask+0: 1(-0.77,0.65)
  rrect100% 1.164x0.336 smd paste+0 mask+0: 2(-0.77,0) 3(-0.77,-0.65) 4(0.77,-0.65) 5(0.77,0) 6(0.77,0.65)
  silkscreen extent -2.05,-1.25 1.05,1.25, body extent -1.45,-1.1 1.45,1.1, height 0.25
FP-LTST-S270KGKT-MFG [mm]
  rect 1.1x1.1 smd paste+0 mask+0: 1(-1,-0.235) 2(1,-0.235)
  silkscreen extent -2.25,-0.63 0.87,0.77, body extent -0.82,-0.49 0.82,0.66, height 0.6
FP-SOT363-IPC_A [mm]
  rect 1.51x0.412 smd paste+0 mask+0: 1(-0.901,0.65)
  rrect100% 1.51x0.412 smd paste+0 mask+0: 2(-0.901,0) 3(-0.901,-0.65) 4(0.901,-0.65) 5(0.901,0) 6(0.901,0.65)
  silkscreen extent -2.78,-1.33 1.05,1.33, body extent -2.16,-1.58 2.16,1.58, height 0.25
FPGA-dummy [mil]
  round 57 / inner round 52 / far side round 57 hole 32: 1(14.37,1851.77) 2(-64.37,1851.77) 3(14.37,1773.03) 4(-64.37,1773.03) 5(14.37,1694.29) 6(-64.37,1694.29) 7(14.37,1615.55) 8(-64.37,1615.55) 9(14.37,1536.81) 10(-64.37,1536.81) 11(14.37,1458.07) 12(-64.37,1458.07) 13(14.37,1379.33) 14(-64.37,1379.33) 15(14.37,1300.59) 16(-64.37,1300.59) 17(14.37,1221.85) 18(-64.37,1221.85) 19(14.37,1143.11) 20(-64.37,1143.11) 21(14.37,1064.37) 22(-64.37,1064.37) 23(14.37,985.63) 24(-64.37,985.63) 25(14.37,906.89) 26(-64.37,906.89) 27(14.37,828.15) 28(-64.37,828.15) 29(14.37,749.41) 30(-64.37,749.41) 31(14.37,670.67) 32(-64.37,670.67) 33(14.37,591.93) 34(-64.37,591.93) 35(14.37,513.19) 36(-64.37,513.19) 37(14.37,434.45) 38(-64.37,434.45) 39(14.37,355.71) 40(-64.37,355.71) 41(14.37,276.97) 42(-64.37,276.97) 43(14.37,198.23) 44(-64.37,198.23) 45(3714.37,1851.77) 46(3635.63,1851.77) 47(3714.37,1773.03) 48(3635.63,1773.03) 49(3714.37,1694.29) 50(3635.63,1694.29) 51(3714.37,1615.55) 52(3635.63,1615.55) 53(3714.37,1536.81) 54(3635.63,1536.81) 55(3714.37,1458.07) 56(3635.63,1458.07) 57(3714.37,1379.33) 58(3635.63,1379.33) 59(3714.37,1300.59) 60(3635.63,1300.59) 61(3714.37,1221.85) 62(3635.63,1221.85) 63(3714.37,1143.11) 64(3635.63,1143.11) 65(3714.37,1064.37) 66(3635.63,1064.37) 67(3714.37,985.63) 68(3635.63,985.63) 69(3714.37,906.89) 70(3635.63,906.89) 71(3714.37,828.15) 72(3635.63,828.15) 73(3714.37,749.41) 74(3635.63,749.41) 75(3714.37,670.67) 76(3635.63,670.67) 77(3714.37,591.93) 78(3635.63,591.93) 79(3714.37,513.19) 80(3635.63,513.19) 81(3714.37,434.45) 82(3635.63,434.45) 83(3714.37,355.71) 84(3635.63,355.71) 85(3714.37,276.97) 86(3635.63,276.97) 87(3714.37,198.23) 88(3635.63,198.23)
  silkscreen extent -95,316 3754,1891, body extent -104,158 3753,1891, height 236
HDR-2x1-100 [mil]
  round 65 / inner round 60 / far side round 75 hole 40: 1(-50,0) 2(50,0)
  silkscreen extent -100,-115 100,115
MURA-IND0805_H_0.55_L [mm] "Chip Inductor, 2-Leads, Body 2.2x1.45mm, IPC High Density"
  rect 0.93x1.37 smd: 1(-0.785,0) 2(0.785,0)
  body extent -1.1,-0.72 1.1,0.72, height 0.55
ONSC-SOD-523-2-502-01_V [mm] "SOD, 2-Leads, Body 1.2x0.8mm"
  rect 0.48x0.4 smd: 1(-0.66,0) 2(0.66,0)
  silkscreen extent -0.75,-0.4 0.07,0.65, body extent -0.6,-0.4 0.6,0.4, height 0.7
PW0008A_N [mm]
  oval 1.4x0.45 smd: 1(-2.95,0.975) 2(-2.95,0.325) 3(-2.95,-0.325) 4(-2.95,-0.975) 5(2.95,-0.975) 6(2.95,-0.325) 7(2.95,0.325) 8(2.95,0.975)
  silkscreen extent -3.07,-1.55 1.85,1.88, body extent -3.23,-1.5 3.23,1.5, height 1.2
ROHM-SML-P11MT_V [mm] "SMD, 2-Leads, Body 0.6x1mm"
  rect 0.5x0.6 smd: 1(-0.45,0) 2(0.45,0)
  silkscreen extent 1.2,-0.3 1.2,0.3, body extent -0.5,-0.3 0.5,0.3, height 0.25
RVQ0043A [mm]
  rect 1.65x1.65 smd paste-0.225: 1(-4.575,4.575) 11(-4.575,-4.575) 21(4.575,-4.575) 31(4.575,4.575)
  rect 0.95x0.5 smd paste-0.025: 2(-4.925,3.2) 3(-4.925,2.4) 4(-4.925,1.6) 5(-4.925,0.8) 6(-4.925,0) 7(-4.925,-0.8) 8(-4.925,-1.6) 9(-4.925,-2.4) 10(-4.925,-3.2) 22(4.925,-3.2) 23(4.925,-2.4) 24(4.925,-1.6) 25(4.925,-0.8) 26(4.925,0) 27(4.925,0.8) 28(4.925,1.6) 29(4.925,2.4) 30(4.925,3.2)
  rect 0.5x0.95 smd paste-0.025: 12(-3.2,-4.925) 13(-2.4,-4.925) 14(-1.6,-4.925) 15(-0.8,-4.925) 16(0,-4.925) 17(0.8,-4.925) 18(1.6,-4.925) 19(2.4,-4.925) 20(3.2,-4.925) 32(3.2,4.925) 33(2.4,4.925) 34(1.6,4.925) 35(0.8,4.925) 36(0,4.925) 37(-0.8,4.925) 38(-1.6,4.925) 39(-2.4,4.925) 40(-3.2,4.925)
  rect 3.55x5.6 smd paste-1.78 mask-2: 41(0,0.3)
  rect 1.05x1.12 smd paste-1 mask+0: 42(3.575,1.187)
  rect 3.3x1 smd paste-0.5 mask+0: 43(0,-3.6)
  Top Layer region: -2.25,-4.1 -1.6,-4.1 -1.6,-3.1 -2.25,-3.1
  Top Layer region: 1.6,-4.1 2.25,-4.1 2.25,-3.1 1.6,-3.1
  Top Layer region: 2.925,0.027 4.1,0.027 4.1,0.762 2.925,0.762
  Top Layer region: 2.45,0.027 3.08,0.027 3.08,1.812 2.45,1.812
  Top Layer region: 2.45,1.712 4.1,1.712 4.1,2.347 2.45,2.347
  silkscreen extent -5.65,-5.65 5.65,5.65, body extent -5.07,-5.07 5.07,5.07, height 4.41
SOIC127P600X175-8N [mm]
  oval 1.45x0.6 smd: 1(-2.725,1.905) 2(-2.725,0.635) 3(-2.725,-0.635) 4(-2.725,-1.905) 5(2.725,-1.905) 6(2.725,-0.635) 7(2.725,0.635) 8(2.725,1.905)
  silkscreen extent -2.85,-2.5 1.6,2.88, body extent -2,-2.5 2,2.5, height 1.75
SRP1770TA [mm] "Precision Wire Wound Inductor, 2-Leads, Body 16.90x16.90mm, IPC Medium Density"
  rect 3.15x12.5 smd: 1(-7.675,0) 2(7.675,0)
  silkscreen extent -8.45,-8.45 8.45,8.45, body extent -8.45,-8.45 8.45,8.45, height 7
"STACKPOLE CSR2512" [mm] "Chip Resistor, 2-Leads, Body 6.40x3.20mm, IPC Medium Density"
  rect 1.6x3.1 smd: 1(-3.25,0) 2(3.25,0)
  silkscreen extent -4.3,-1.8 4.3,1.8, body extent -3.27,-1.6 3.28,1.6, height 0.5
TECO-1909763-1_V [mm] "SMD, 3-Leads, Body 2.6x2.6mm, Height 1.25mm"
  rect 1.05x2.2 smd: 1(-1.475,0) 3(1.475,0)
  rect 1x1.05 smd: 2(0,-1.525)
  silkscreen extent -1.9,-1.77 0.55,1.3, body extent -1.5,-1.55 1.5,1.55, height 1.23
Testpoint_Keystone_Compact [mil]
  rect 185x135 smd: 1(0,0)
  silkscreen extent -110,-80 110,80, body extent -75,-56 75,56, height 91
TSSOP-ST8_N [mm] "TSOP, 8-Leads, Body 3x4.4mm, Pitch 0.65mm, IPC Medium Density"
  oval 1.7x0.35 smd: 1(-2.85,0.975) 2(-2.85,0.325) 3(-2.85,-0.325) 4(-2.85,-0.975) 5(2.85,-0.975) 6(2.85,-0.325) 7(2.85,0.325) 8(2.85,0.975)
  silkscreen extent -2.97,-1.55 1.6,1.82, body extent -2.25,-1.55 2.25,1.55, height 1.2